# Altium PCB 400150.PcbDoc (part 1 of 3) (continued)
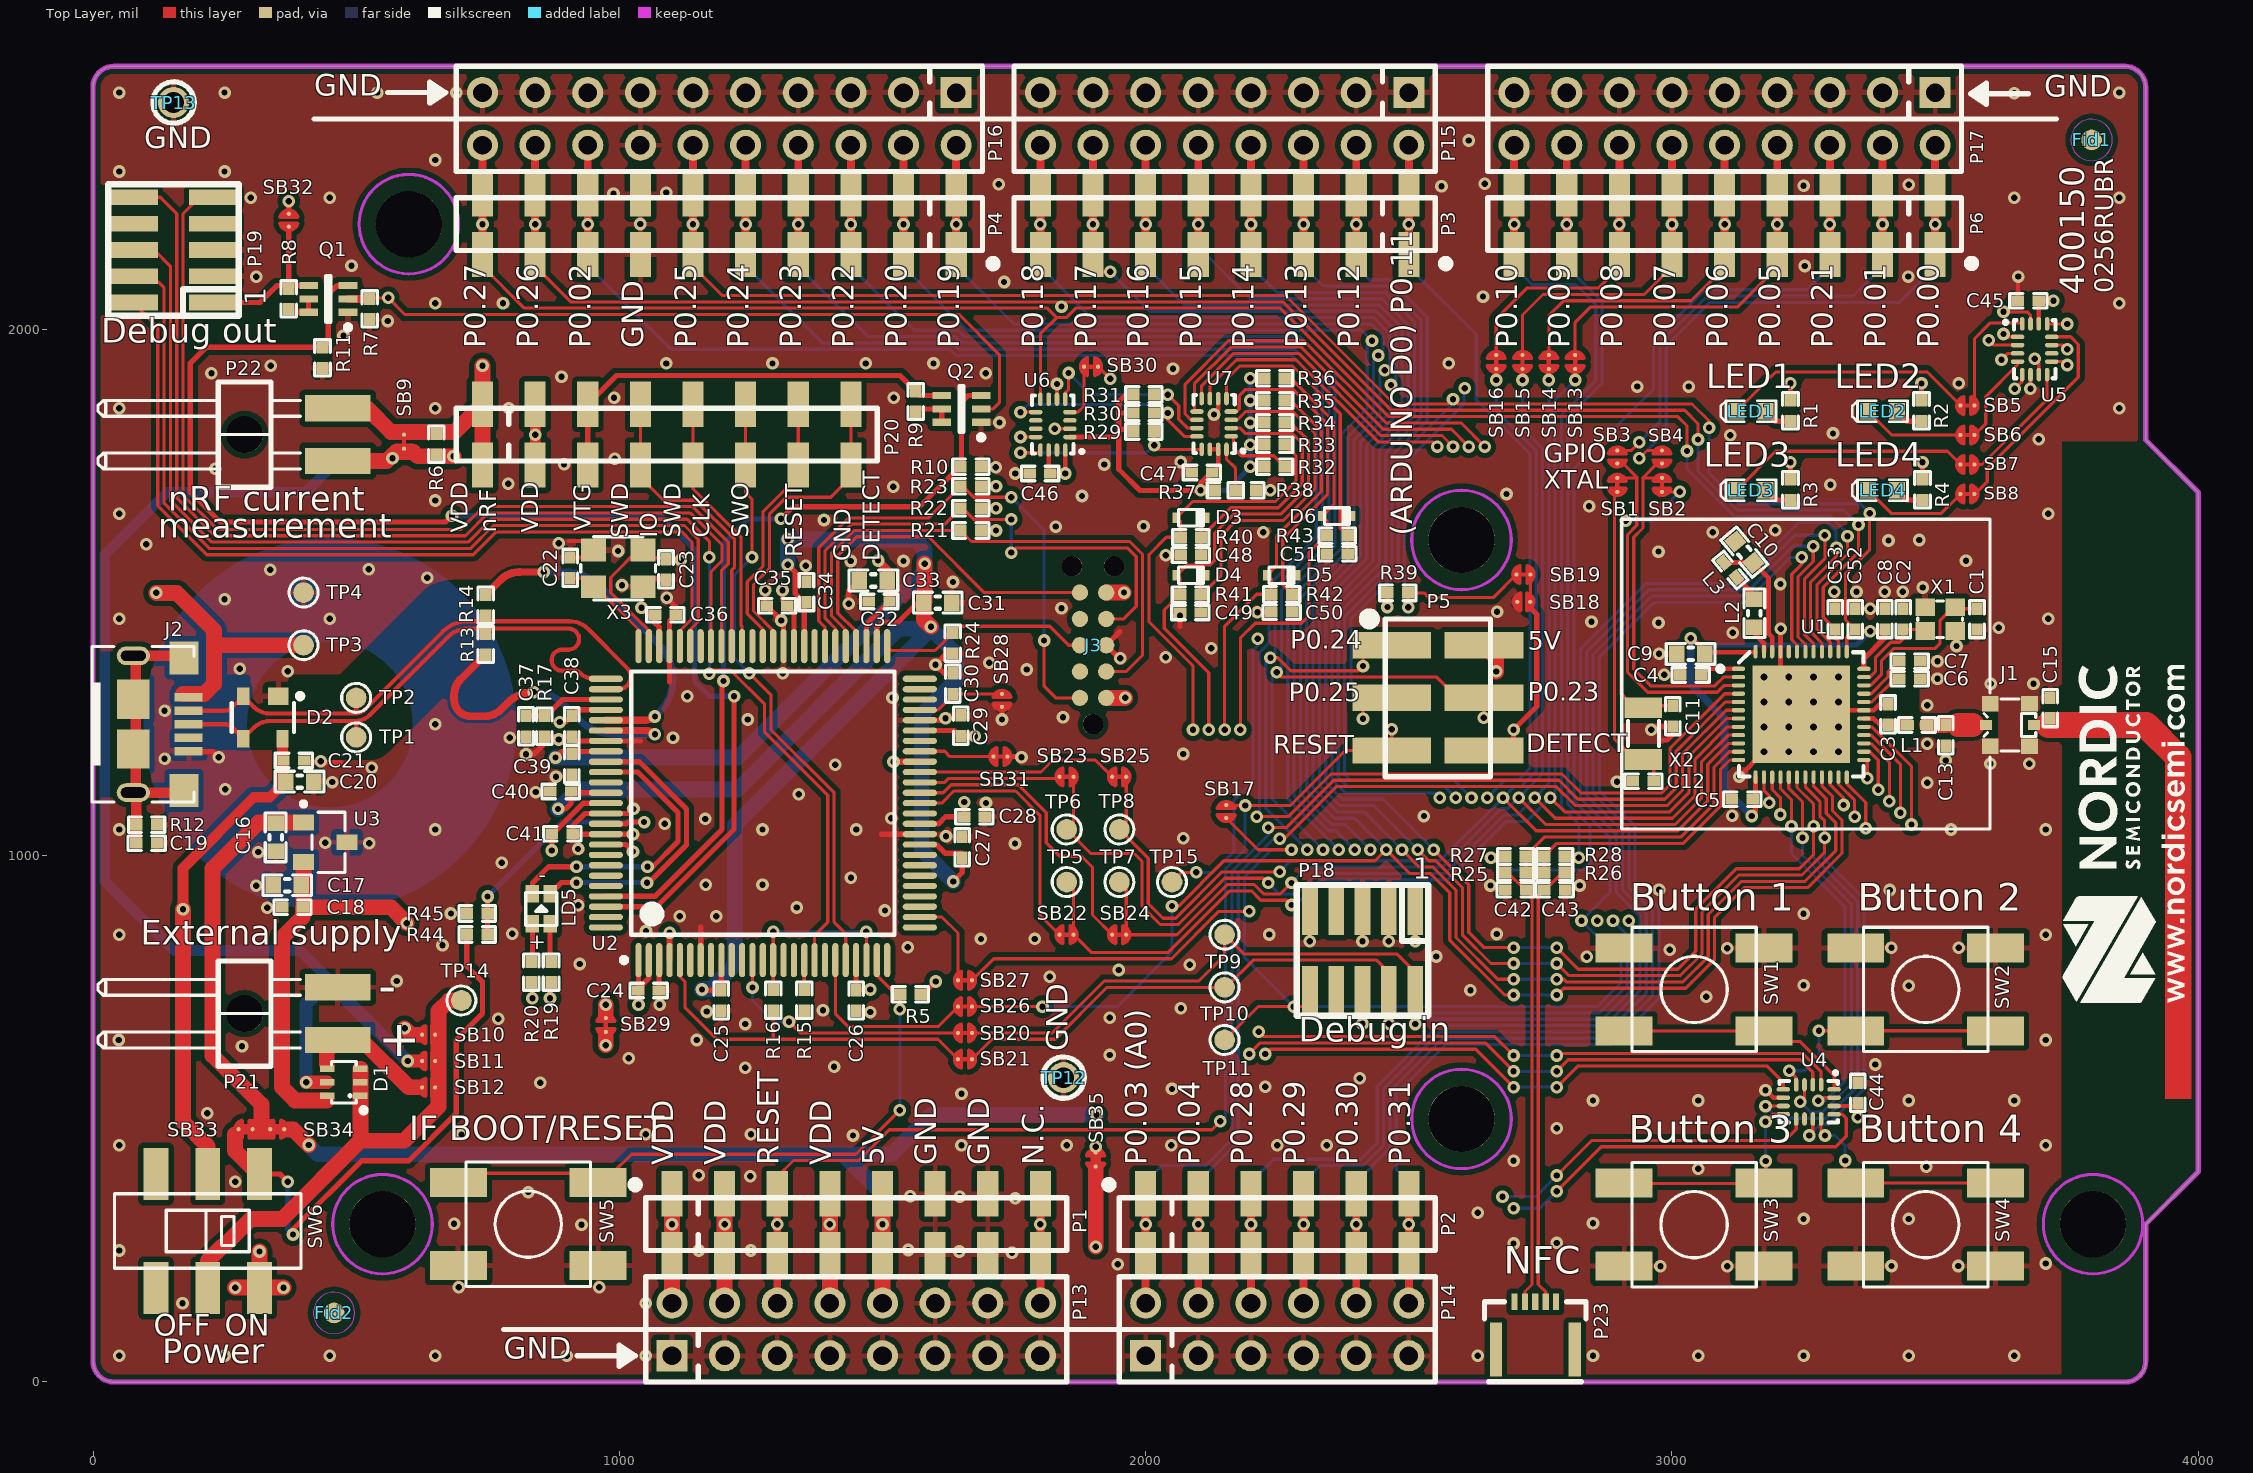
[diagram p0: Top Layer view]
## Components (designator, comment, footprint, x,y, rotation, side; value= is the part's Value field where it differs from the comment)
Bat1 "Bat Holder CR2032" CR2032_HOLDER_SMD 450,1249 r270 bottom locked
C1 "12pF" CAPC1005X04L 3579.46,1449.17 r270 top
C2 "12pF" CAPC1005X04L 3439.46,1449.17 r90 top
C3 "0.8pF" CAPC1005X04L 3410.46,1268.16 r270 top
C4 "100nF" CAPC1005X04L 3035.46,1343.16 r180 top
C5 "100nF" CAPC1005X04L 3133.46,1107.16 r180 top
C6 "N.C." CAPC1005X04L 3451.46,1336.16 r0 top
C7 "100pF" CAPC1005X04L 3451.46,1369.16 r0 top
C8 "100nF" CAPC1005X04L 3404.46,1449.17 r90 top
C9 "4.7µF" CAPC1608X06L 3035.46,1383.16 r180 top
C10 "1.0µF" CAPC1608X06L 3137.49,1576.36 r310 top
C11 "12pF" CAPC1005X04L 3001.61,1264.85 r90 top
C12 "12pF" CAPC1005X04L 2945.61,1140.85 r0 top
C13 "N.C." CAPC1005X04L 3520,1228.6 r270 top
C15 "1.2pF" CAPC1005X04L 3718.87,1280.16 r90 top
C16 "1.0µF" CAPC1608X06L 347,1034.6 r90 top
C17 "1.0µF" CAPC1608X06L 369,943.6 r0 top
C18 "100nF" CAPC1005X04L 379,901.6 r0 top
C19 "100nF" CAPC1005X04L 101.84,1023.6 r180 top
C20 "10µF" CAPC1608X06L 392.61,1140.6 r180 top
C21 "100nF" CAPC1005X04L 381.61,1180.6 r180 top
C22 "18pF" CAPC1005X04L 906.61,1546.6 r90 top
C23 "18pF" CAPC1005X04L 1088.61,1543.6 r270 top
C24 "100nF" CAPC1005X04L 1055.61,743.6 r180 top
C25 "100nF" CAPC1005X04L 1193.61,724.6 r90 top
C26 "100nF" CAPC1005X04L 1450,724.6 r90 top
C27 "100nF" CAPC1005X04L 1651.61,1015.6 r270 top
C28 "100nF" CAPC1005X04L 1674.61,1073.6 r180 top
C29 "100nF" CAPC1005X04L 1648.61,1246.6 r270 top
C30 "10nF" CAPC1005X04L 1633.61,1326.6 r270 top
C31 "10µF" CAPC1608X06L 1605,1480.6 r180 top
C32 "100nF" CAPC1005X04L 1493.61,1482.6 r0 top
C33 "10µF" CAPC1608X06L 1482.61,1522.6 r0 top
C34 "100nF" CAPC1005X04L 1355.61,1500.6 r270 top
C35 "100nF" CAPC1005X04L 1299.61,1474.6 r0 top
C36 "100nF" CAPC1005X04L 1087.61,1457.6 r0 top
C37 "10pF" CAPC1005X04L 822.61,1245.6 r90 top
C38 "100nF" CAPC1005X04L 909.61,1245.6 r90 top
C39 "100nF" CAPC1005X04L 909.61,1173.6 r90 top
C40 "100nF" CAPC1005X04L 888.61,1121.6 r0 top
C41 "100nF" CAPC1005X04L 891.61,1041.6 r180 top
C42 "300pF" CAPC1005X04L 2703,935 r180 top
C43 "300pF" CAPC1005X04L 2777,935 r180 top
C44 "100nF" CAPC1005X04L 3352.66,549 r270 top
C45 "100nF" CAPC1005X04L 3677,2054 r0 top
C46 "100nF" CAPC1005X04L 1799.31,1725.77 r0 top
C47 "100nF" CAPC1005X04L 2106.99,1727.77 r0 top
C48 "1.0µF" CAPC1005X04L 2085.99,1570.77 r180 top
C49 "1.0µF" CAPC1005X04L 2085.08,1461.77 r0 top
C50 "1.0µF" CAPC1005X04L 2258.31,1462.47 r0 top
C51 "1.0µF" CAPC1005X04L 2364.08,1573.69 r180 top
C52 "12pF" CAPC1005X04L 3348.46,1449.17 r90 top
C53 "12pF" CAPC1005X04L 3310.46,1449.17 r90 top
D1 "SD103ATW-7-F" SOT-363 476.5,569.19 r90 top
D2 "PRTR5V0U2X" SOT190P230X110-4L 322.61,1262.6 r270 top
D3 "1PS79SB30.115" SOD-523 2086.22,1641.77 r180 top
D4 "1PS79SB30.115" SOD-523 2086.31,1532.77 r180 top
D5 "1PS79SB30.115" SOD-523 2258.31,1532.77 r180 top
D6 "1PS79SB30.115" SOD-523 2363.31,1645 r180 top
Fid1 "Fiducial mark" Fiducial 3797.28,2359.6 r180 top
Fid2 "Fiducial mark" Fiducial 458,131 r0 top
J1 "MM8130-2600" COAXIAL-SWF 3641.87,1248.16 r90 top
J2 "MicroUSB-B" USB-Micro-B-RA-SMD-PiP 181.84,1249.6 r0 top
J3 "TC2050-IDC" TC2050-IDC-NLFP 1900,1399.6 r90 top locked
L1 "3.9nH" INDC1005X04L 3465.46,1248.16 r0 top
L2 "10µH" INDC1608X06L 3156.46,1460.36 r270 top
L3 "15nH" INDC1005X04L 3110.49,1542.36 r310 top
LD5 "LED RG" LED_DUAL_0606 851.61,898.6 r180 top
LED1 "L0603G" LED_0603_G 3150,1843.99 r0 top
LED2 "L0603G" LED_0603_G 3400,1843.99 r0 top
LED3 "L0603G" LED_0603_G 3150,1693.99 r0 top
LED4 "L0603G" LED_0603_G 3400,1693.99 r0 top
P1 "Socket 1x8" SOCKET_1x8_SMD 1100,299.6 r0 top locked
P2 "Socket 1x6" SOCKET_1x6_SMD 2000,299.6 r0 top locked
P3 "Socket 1x8" SOCKET_1x8_SMD 2500,2199.6 r180 top locked
P4 "Socket 1x10" SOCKET_1x10_SMD 1640,2199.6 r180 top locked
P5 "Pin Hdr 2x3" HDR_2x3-SMD 2555,1299.6 r270 top locked
P6 "Socket 1x9" SOCKET_1x9_SMD 3500,2199.6 r180 top locked
P7 "Pin List 1x8" LIST_1x8_SMD-NC 1100,299.6 r0 bottom locked
P8 "Pin List 1x6" LIST_1x6_SMD-NC 2000,299.6 r0 bottom locked
P9 "Pin List 1x8" LIST_1x8_SMD-NC 2500,2199.6 r180 bottom locked
P10 "Pin List 1x10" LIST_1x10_SMD-NC 1640,2199.6 r180 bottom locked
P11 "Socket 2x3" SOCKET_2x3_SMD-2.54mm-bottom-NC 2555,1299.6 r270 top locked
P12 "Pin List 1x9" LIST_1x9_SMD-NC 3500,2199.6 r180 bottom locked
P13 "Pin Header 2x8" HDR_2x8-NC 1450,99.6 r0 top locked
P14 "Pin Header 2x6" HDR_2x6-NC 2250,99.6 r0 top locked
P15 "Pin Header 2x8" HDR_2x8-NC 2150,2399.6 r180 top locked
P16 "Pin Header 2x10" HDR_2x10-NC 1190,2399.6 r180 top locked
P17 "Pin Header 2x9" HDR_2x9-NC 3100,2399.6 r180 top
P18 "Pin Header 2x5, 1.27mm" HDR_2x5-SMD-1.27mm-K 2412,819.77 r180 top
P19 "Pin Header 2x5, 1.27mm" HDR_2x5-SMD-1.27mm-K 153,2150.6 r90 top locked
P20 "Pin List 1x8" LIST_1x8_SMD 740,1799.6 r0 top
P21 "Pin List 1x2, Angled" LIST_ANG_1x2-SMD-2.54MM 465,699.6 r270 top
P22 "Pin List 1x2, Angled" LIST_ANG_1x2-SMD-2.54MM 465,1799.6 r270 top
P23 "FPC 0.5mm RA SMD" FPC_05P-0.5mm-RA-SMD 2701,152 r0 top
Q1 "FDG6321C" SOT65P210X100-6N 447,2057.6 r180 top
Q2 "FDG6321C" SOT65P210X100-6N 1650,1848.6 r180 top
R1 "220R" RESC1005X04L 3225.01,1844.99 r90 top
R2 "220R" RESC1005X04L 3474.01,1844.99 r90 top
R3 "220R" RESC1005X04L 3225.01,1694.99 r90 top
R4 "220R" RESC1005X04L 3476.01,1694.99 r90 top
R5 "10k" RESC1005X04L 1553,736.6 r0 top
R6 "N.C." RESC1005X04L 652,1781.6 r90 top
R7 "N.C." RESC1005X04L 526,2038.6 r270 top
R8 "10k" RESC1005X04L 372,2057.6 r270 top
R9 "10k" RESC1005X04L 1563,1862.6 r270 top
R10 "10k" RESC1005X04L 1667.84,1738.6 r180 top
R11 "10k" RESC1005X04L 436,1945.6 r90 top
R12 "10k" RESC1005X04L 101.84,1058.6 r180 top
R13 "39R" RESC1005X04L 746.02,1401.3 r90 top
R14 "39R" RESC1005X04L 746.01,1475.54 r270 top
R15 "150R" RESC1005X04L 1351.35,725 r270 top
R16 "150R" RESC1005X04L 1292.35,725 r270 top
R17 "6k8" RESC1005X04L 857.61,1245.6 r90 top
R19 "220R" RESC1005X04L 870.34,778.6 r270 top
R20 "220R" RESC1005X04L 832.87,778.6 r270 top
R21 "4k7" RESC1005X04L 1667.84,1617.6 r0 top
R22 "4k7" RESC1005X04L 1667.84,1659.6 r0 top
R23 "4k7" RESC1005X04L 1667.84,1701.6 r0 top
R24 "4k7" RESC1005X04L 1633.61,1403.6 r270 top
R25 "0R" RESC1005X04L 2702.84,968.6 r0 top
R26 "0R" RESC1005X04L 2776.84,968.6 r180 top
R27 "N.C." RESC1005X04L 2702.84,998.6 r0 top
R28 "N.C." RESC1005X04L 2776.84,998.6 r180 top
R29 "4k7" RESC1005X04L 1996.62,1805.77 r180 top
R30 "4k7" RESC1005X04L 1996.62,1840.77 r180 top
R31 "12k" RESC1005X04L 1996.62,1875.77 r180 top
R32 "12k" RESC1005X04L 2244.94,1738.62 r180 top
R33 "100k" RESC1005X04L 2244.94,1780.62 r180 top
R34 "100k" RESC1005X04L 2244.94,1822.62 r180 top
R35 "100k" RESC1005X04L 2244.94,1864.62 r180 top
R36 "100k" RESC1005X04L 2244.94,1906.62 r180 top
R37 "N.C." RESC1005X04L 2151.31,1693.77 r180 top
R38 "0R" RESC1005X04L 2190.68,1693.77 r180 top
R39 "1M0" RESC1005X04L 2479,1499 r180 top
R40 "18k" RESC1005X04L 2085.99,1604.77 r180 top
R41 "18k" RESC1005X04L 2085.08,1495.77 r180 top
R42 "18k" RESC1005X04L 2258.31,1496.47 r180 top
R43 "18k" RESC1005X04L 2364.08,1607.69 r180 top
R44 "33k" RESC1005X04L 730,850 r180 top
R45 "47k" RESC1005X04L 730,890 r0 top
SB1 "Solderbridge" Solderbridge_Shorted 2896,1704.3 r90 top net-tie
SB2 "Solderbridge" Solderbridge_Shorted 2981,1704.3 r90 top net-tie
SB3 "Solderbridge" Solderbridge#1 2896,1757.3 r90 top
SB4 "Solderbridge" Solderbridge#1 2981,1757.3 r90 top
SB5 "Solderbridge" Solderbridge_Shorted 3561.2,1855 r180 top net-tie
SB6 "Solderbridge" Solderbridge_Shorted 3561.2,1799 r180 top net-tie
SB7 "Solderbridge" Solderbridge_Shorted 3561.2,1743 r180 top net-tie
SB8 "Solderbridge" Solderbridge_Shorted 3561.2,1687 r180 top net-tie
SB9 "Solderbridge" Solderbridge_Shorted 591,1786.3 r270 top net-tie
SB10 "Solderbridge" Solderbridge#1 637.7,659.6 r180 top
SB11 "Solderbridge" Solderbridge#1 637.7,609.6 r180 top
SB12 "Solderbridge" Solderbridge#1 637.7,559.6 r180 top
SB13 "Solderbridge" Solderbridge_Shorted 2816,1937.7 r270 top net-tie
SB14 "Solderbridge" Solderbridge_Shorted 2766,1937.7 r270 top net-tie
SB15 "Solderbridge" Solderbridge_Shorted 2716,1937.7 r270 top net-tie
SB16 "Solderbridge" Solderbridge_Shorted 2666,1937.7 r270 top net-tie
SB17 "Solderbridge" Solderbridge#1 2153,1083.7 r270 top
SB18 "Solderbridge" Solderbridge#1 2718.3,1482 r0 top
SB19 "Solderbridge" Solderbridge_Shorted 2717.7,1534 r180 top net-tie
SB20 "Solderbridge" Solderbridge_Shorted 1656.72,663 r180 top net-tie
SB21 "Solderbridge" Solderbridge_Shorted 1656.72,613 r180 top net-tie
SB22 "Solderbridge" Solderbridge_Shorted 1849.7,849.6 r180 top net-tie
SB23 "Solderbridge" Solderbridge_Shorted 1849.7,1149.6 r180 top net-tie
SB24 "Solderbridge" Solderbridge_Shorted 1949.7,849.6 r180 top net-tie
SB25 "Solderbridge" Solderbridge_Shorted 1949.7,1149.6 r180 top net-tie
SB26 "Solderbridge" Solderbridge_Shorted 1656.72,713 r180 top net-tie
SB27 "Solderbridge" Solderbridge_Shorted 1656.72,763 r180 top net-tie
SB28 "Solderbridge" Solderbridge#1 1727,1294.79 r270 top
SB29 "Solderbridge" Solderbridge_Shorted 974.38,678.08 r270 top net-tie
SB30 "Solderbridge" Solderbridge_Shorted 1896.22,1928.77 r180 top net-tie
SB31 "Solderbridge" Solderbridge_Shorted 1724,1188 r0 top net-tie
SB32 "Solderbridge" Solderbridge#2 372,2207 r270 top
SB33 "Solderbridge" Solderbridge_Shorted_Power 290,480 r0 top net-tie
SB34 "Solderbridge" Solderbridge_Shorted_Power 350,480 r180 top net-tie
SB35 "Solderbridge" Solderbridge_Shorted_Power 1905,422.6 r90 top net-tie
SW1 "PB SW" Switch-PB-6.2x6.3mm-SMD 3042,745.66 r0 top
SW2 "PB SW" Switch-PB-6.2x6.3mm-SMD 3482,745.66 r0 top
SW3 "PB SW" Switch-PB-6.2x6.3mm-SMD 3042,298.66 r180 top
SW4 "PB SW" Switch-PB-6.2x6.3mm-SMD 3482,298.66 r180 top
SW5 "PB SW" Switch-PB-6.2x6.3mm-SMD 827,299.6 r180 top
SW6 "Switch" Switch-Slide-DPDT-8.5x3.6mm 218,286.6 r0 top locked
TP1 "Ø1.0mm,SMD" TP_SMD_Ø1.0mm 500,1224.6 r0 top
TP2 "Ø1.0mm,SMD" TP_SMD_Ø1.0mm 500,1299.6 r0 top
TP3 "Ø1.0mm,SMD" TP_SMD_Ø1.0mm 400,1399.6 r0 top
TP4 "Ø1.0mm,SMD" TP_SMD_Ø1.0mm 400,1499.6 r0 top
TP5 "Ø1.0mm,SMD" TP_SMD_Ø1.0mm 1850,949.6 r0 top
TP6 "Ø1.0mm,SMD" TP_SMD_Ø1.0mm 1850,1049.6 r0 top
TP7 "Ø1.0mm,SMD" TP_SMD_Ø1.0mm 1950,949.6 r0 top
TP8 "Ø1.0mm,SMD" TP_SMD_Ø1.0mm 1950,1049.6 r0 top
TP9 "Ø1.0mm,SMD" TP_SMD_Ø1.0mm 2150,849.6 r0 top
TP10 "Ø1.0mm,SMD" TP_SMD_Ø1.0mm 2150,749.6 r0 top
TP11 "Ø1.0mm,SMD" TP_SMD_Ø1.0mm 2150,649.6 r90 top
TP12 "TP" TESTPAD-TH 1844,578 r0 top
TP13 "TP" TESTPAD-TH 153,2430.6 r0 top
TP14 "Ø1.0mm,SMD" TP_SMD_Ø1.0mm 700,724.6 r270 top
TP15 "Ø1.0mm,SMD" TP_SMD_Ø1.0mm 2050,949.6 r90 top
U1 "nRF52832-QFAAB0" QFN40P600X600X90-48N 3245.46,1268.16 r0 top
U2 "ATSAM3U2CA-AU" TSQFP50P1600X1600X160-100N 1272.61,1099.6 r90 top locked
U3 "AP7333-33SAG-7" SOT-23A 400,1062.6 r270 top
U4 "NX3DV2567" XQFN40P180X260X50-16N 3259.66,532 r270 top
U5 "NX3DV2567" XQFN40P180X260X50-16N 3689,1962 r0 top
U6 "NX3DV2567" XQFN40P180X260X50-16N 1823.62,1818.77 r180 top
U7 "PCAL6408A" XQFN40P180X260X50-16N 2129.94,1820 r180 top
X1 "32MHz" BT-XTAL_2016 3509.46,1449.17 r180 top
X2 "32.768kHz" XTAL_3215 2945.61,1231.85 r270 top
X3 "12MHz" BT-XTAL_3225 997.61,1545.6 r180 top

## Footprints (in the part's own frame and the unit in brackets; to place one, negate y for a bottom-side part, rotate by r counter-clockwise, add the part's x,y. Pads: shape width x height; smd on the part's side, far side on the other; paste and mask are expansions set on the pad)
BT-XTAL_2016 [mm] "Crystal 2.0 x 1.6 mm"
  rect 0.95x0.85 smd: 1(-0.725,-0.575) 2(0.725,-0.575) 3(0.725,0.575) 4(-0.725,0.575)
  silkscreen extent -1.08,-0.88 1.08,0.88, body extent -1.05,-0.85 1.05,0.85, height 0.56
BT-XTAL_3225 [mm] "Mercury X32 series"
  rect 1.2x1.1 smd: 1(-1.194,-0.89) 2(1.194,-0.89) 3(1.194,0.891) 4(-1.194,0.891)
  silkscreen extent -1.8,-1.52 1.8,1.52, body extent -1.6,-1.25 1.6,1.25, height 0.6
CAPC1005X04L [mm] "Chip Capacitor, 2-Leads, Body 1.0x0.5mm, IPC High Density"
  rect 0.6x0.5 smd: 1(-0.5,0) 2(0.5,0)
  silkscreen extent -0.9,-0.35 0.9,0.35, body extent -0.51,-0.25 0.51,0.25, height 0.5
CAPC1608X06L [mm] "Chip Capacitor, 2-Leads, Body 1.6x0.8mm, IPC High Density"
  rect 0.75x0.8 smd: 1(-0.675,0) 2(0.675,0)
  silkscreen extent -1.17,-0.5 1.17,0.5, body extent -0.8,-0.43 0.8,0.43, height 0.8
COAXIAL-SWF [mm]
  rect 0.5x0.58 smd: 1(0,1.16) 3(0,-1.16)
  rect 0.75x0.8 smd: 2(-1.025,-0.95) 2(-1.025,0.95) 2(1.025,-0.95) 2(1.025,0.95)
  Top Layer pour cut-out: -0.65,0.55 0.65,0.55 0.65,1.35 -0.65,1.35
  Top Layer pour cut-out: 0.65,-0.55 -0.65,-0.55 -0.65,-1.35 0.65,-1.35
  silkscreen extent -1.25,-1.25 1.25,1.25, body extent -1.26,-1.3 1.26,1.3, height 1.55
CR2032_HOLDER_SMD [mm] "CR2032 - SMD mount coin cell bat holder"
  round 18 on Bottom Solder paste+0: 0(0,0)
  rect 5.08x5.08 smd: 1(-13.081,0) 1(13.081,0)
  rrect50% 10x10 smd paste-9: 2(0,0)
  Top Layer circle w5: c0,0 r6.5
  silkscreen extent -10.54,-9.53 10.54,11.43, body extent -15.37,-10.27 15.37,9.78, height 3.96
Fiducial [mm] "Fiducial Mark"
  round 1 smd paste-10 mask+0.5: 0(0,0)
  round 1 smd far side paste-10 mask+0.5: 0(0,0)
  Top Layer keep-out circle w0.01: c0,0 r1
  Bottom Layer keep-out circle w0.01: c0,0 r1
FPC_05P-0.5mm-RA-SMD [mm] "FPC, 5-Leads, Pitch 0,5mm"
  rect 0.6x2.6 smd: 0(-0.9,-2.3) 0(2.9,-2.3)
  rect 0.3x0.8 smd: 1(0,0) 2(0.5,0) 3(1,0) 4(1.5,0) 5(2,0)
  silkscreen extent -1.45,-3.85 3.45,0, body extent -1.3,-3.85 3.3,0.2, height 1.2
HDR_2x3-SMD [mil] "Board-Board Conn, Header, 6-way, 2-row"
  rect 50x150 smd: 1(-100,-87.5) 2(-100,87.5) 3(0,-87.5) 4(0,87.5) 5(100,-87.5) 6(100,87.5)
  silkscreen extent -160,-140 150,100, body extent -150,-148 150,148, height 382
HDR_2x5-SMD-1.27mm-K [mm] "SMT MICRO HEADER, (1,27) .050\" Keying Shroud"
  rect 0.76x2.4 smd: 1(-2.54,-1.95) 2(-2.54,1.95) 3(-1.27,-1.95) 4(-1.27,1.95) 5(0,-1.95) 6(0,1.95) 7(1.27,-1.95) 8(1.27,1.95) 9(2.54,-1.95) 10(2.54,1.95)
  silkscreen extent -3.18,-3.15 3.18,3.15, body extent -3.14,-2.92 3.14,2.92, height 6.11
HDR_2x6-NC [mm] "Pin Header, 2.54mm through hole"
  rect 1.5x1.5 hole 0.9: 1(-6.35,-1.27)
  round 1.5 hole 0.9: 2(-6.35,1.27) 3(-3.81,-1.27) 4(-3.81,1.27) 5(-1.27,-1.27) 6(-1.27,1.27) 7(1.27,-1.27) 8(1.27,1.27) 9(3.81,-1.27) 10(3.81,1.27) 11(6.35,-1.27) 12(6.35,1.27)
  silkscreen extent -7.62,-2.54 7.62,2.54
HDR_2x8-NC [mm] "Pin Header, 2.54mm through hole"
  rect 1.5x1.5 hole 0.9: 1(-8.89,-1.27)
  round 1.5 hole 0.9: 2(-8.89,1.27) 3(-6.35,-1.27) 4(-6.35,1.27) 5(-3.81,-1.27) 6(-3.81,1.27) 7(-1.27,-1.27) 8(-1.27,1.27) 9(1.27,-1.27) 10(1.27,1.27) 11(3.81,-1.27) 12(3.81,1.27) 13(6.35,-1.27) 14(6.35,1.27) 15(8.89,-1.27) 16(8.89,1.27)
  silkscreen extent -10.16,-2.54 10.16,2.54
HDR_2x9-NC [mm] "Pin Header, 2.54mm through hole"
  rect 1.5x1.5 hole 0.9: 1(-10.16,-1.27)
  round 1.5 hole 0.9: 2(-10.16,1.27) 3(-7.62,-1.27) 4(-7.62,1.27) 5(-5.08,-1.27) 6(-5.08,1.27) 7(-2.54,-1.27) 8(-2.54,1.27) 9(0,-1.27) 10(0,1.27) 11(2.54,-1.27) 12(2.54,1.27) 13(5.08,-1.27) 14(5.08,1.27) 15(7.62,-1.27) 16(7.62,1.27) 17(10.16,-1.27) 18(10.16,1.27)
  silkscreen extent -11.43,-2.54 11.43,2.54
HDR_2x10-NC [mm] "Pin Header, 2.54mm through hole"
  rect 1.5x1.5 hole 0.9: 1(-11.43,-1.27)
  round 1.5 hole 0.9: 2(-11.43,1.27) 3(-8.89,-1.27) 4(-8.89,1.27) 5(-6.35,-1.27) 6(-6.35,1.27) 7(-3.81,-1.27) 8(-3.81,1.27) 9(-1.27,-1.27) 10(-1.27,1.27) 11(1.27,-1.27) 12(1.27,1.27) 13(3.81,-1.27) 14(3.81,1.27) 15(6.35,-1.27) 16(6.35,1.27) 17(8.89,-1.27) 18(8.89,1.27) 19(11.43,-1.27) 20(11.43,1.27)
  silkscreen extent -12.7,-2.54 12.7,2.54
INDC1005X04L [mm] "Chip Inductor, 2-Leads, Body 1.0x0.5mm, IPC High Density"
  rect 0.65x0.5 smd: 1(-0.475,0) 2(0.475,0)
  silkscreen extent -0.9,-0.35 0.9,0.35, body extent -0.5,-0.3 0.5,0.3, height 0.5
INDC1608X06L [mm] "Chip Inductor, 2-Leads, Body 1.6x0.8mm, IPC High Density"
  rect 0.75x0.8 smd: 1(-0.675,0) 2(0.675,0)
  silkscreen extent -1.17,-0.5 1.17,0.5, body extent -0.8,-0.48 0.8,0.48, height 0.8
LED_0603_G [mil] "SMD Super Bright LED, GREEN"
  rect 30x32 smd: 1(-27.5,0) 2(27.5,0)
  silkscreen extent -58,-20 48,20, body extent -32,-16 32,16, height 24
LED_DUAL_0606 [mm]
  rect 0.65x0.85 smd paste+0: 1(0.425,0.725) 2(-0.425,0.725) 3(0.425,-0.725) 4(-0.425,-0.725)
  silkscreen extent -0.75,-0.8 0.75,0.8, body extent -0.75,-0.8 0.75,0.8, height 0.55
LIST_1x6_SMD-NC [mm] "Pin List, 2.54mm, SMD"
  rect 1.02x2.19 smd: 1(0,-1.465) 1(0,1.465) 2(2.54,-1.465) 2(2.54,1.465) 3(5.08,-1.465) 3(5.08,1.465) 4(7.62,-1.465) 4(7.62,1.465) 5(10.16,-1.465) 5(10.16,1.465) 6(12.7,-1.465) 6(12.7,1.465)
  silkscreen extent -1.27,-1.27 13.97,1.27
LIST_1x8_SMD [mm] "Pin List, 2.54mm, SMD"
  rect 1.02x2.19 smd: 1(0,-1.465) 1(0,1.465) 2(2.54,-1.465) 2(2.54,1.465) 3(5.08,-1.465) 3(5.08,1.465) 4(7.62,-1.465) 4(7.62,1.465) 5(10.16,-1.465) 5(10.16,1.465) 6(12.7,-1.465) 6(12.7,1.465) 7(15.24,-1.465) 7(15.24,1.465) 8(17.78,-1.465) 8(17.78,1.465)
  silkscreen extent -1.27,-1.27 19.05,1.27, body extent -1.27,-2.5 19.05,2.5, height 9.82
LIST_1x8_SMD-NC [mm] "Pin List, 2.54mm, SMD"
  rect 1.02x2.19 smd: 1(0,-1.465) 1(0,1.465) 2(2.54,-1.465) 2(2.54,1.465) 3(5.08,-1.465) 3(5.08,1.465) 4(7.62,-1.465) 4(7.62,1.465) 5(10.16,-1.465) 5(10.16,1.465) 6(12.7,-1.465) 6(12.7,1.465) 7(15.24,-1.465) 7(15.24,1.465) 8(17.78,-1.465) 8(17.78,1.465)
  silkscreen extent -1.27,-1.27 19.05,1.27
LIST_1x9_SMD-NC [mm] "Pin List, 2.54mm, SMD"
  rect 1.02x2.19 smd: 1(0,-1.465) 1(0,1.465) 2(2.54,-1.465) 2(2.54,1.465) 3(5.08,-1.465) 3(5.08,1.465) 4(7.62,-1.465) 4(7.62,1.465) 5(10.16,-1.465) 5(10.16,1.465) 6(12.7,-1.465) 6(12.7,1.465) 7(15.24,-1.465) 7(15.24,1.465) 8(17.78,-1.465) 8(17.78,1.465) 9(20.32,-1.465) 9(20.32,1.465)
  silkscreen extent -1.27,-1.27 21.59,1.27
LIST_1x10_SMD-NC [mm] "Pin List, 2.54mm, SMD"
  rect 1.02x2.19 smd: 1(0,-1.465) 1(0,1.465) 2(2.54,-1.465) 2(2.54,1.465) 3(5.08,-1.465) 3(5.08,1.465) 4(7.62,-1.465) 4(7.62,1.465) 5(10.16,-1.465) 5(10.16,1.465) 6(12.7,-1.465) 6(12.7,1.465) 7(15.24,-1.465) 7(15.24,1.465) 8(17.78,-1.465) 8(17.78,1.465) 9(20.32,-1.465) 9(20.32,1.465) 10(22.86,-1.465) 10(22.86,1.465)
  silkscreen extent -1.27,-1.27 24.13,1.27
LIST_ANG_1x2-SMD-2.54MM [mm] "Pin List, 2.54mm, Surface Mount, Angled"
  round 1.78 hole 1.78 unplated: 0(0,-4.496)
  rect 1.27x3.18 smd: 1(-1.27,0) 2(1.27,0)
  silkscreen extent -2.54,-11.58 2.54,-1.8, body extent -2.56,-11.61 2.52,1.35, height 3.03
QFN40P600X600X90-48N [mm] "QFN, 48-Leads, Body 6,0x6,0mm (max), Pitch 0,40mm, IPC Medium Density"
  oval 0.65x0.2 smd: 1(-3.025,2.2) 2(-3.025,1.8) 3(-3.025,1.4) 4(-3.025,1) 5(-3.025,0.6) 6(-3.025,0.2) 7(-3.025,-0.2) 8(-3.025,-0.6) 9(-3.025,-1) 10(-3.025,-1.4) 11(-3.025,-1.8) 12(-3.025,-2.2) 25(3.025,-2.2) 26(3.025,-1.8) 27(3.025,-1.4) 28(3.025,-1) 29(3.025,-0.6) 30(3.025,-0.2) 31(3.025,0.2) 32(3.025,0.6) 33(3.025,1) 34(3.025,1.4) 35(3.025,1.8) 36(3.025,2.2)
  oval 0.2x0.65 smd: 13(-2.2,-3.025) 14(-1.8,-3.025) 15(-1.4,-3.025) 16(-1,-3.025) 17(-0.6,-3.025) 18(-0.2,-3.025) 19(0.2,-3.025) 20(0.6,-3.025) 21(1,-3.025) 22(1.4,-3.025) 23(1.8,-3.025) 24(2.2,-3.025) 37(2.2,3.025) 38(1.8,3.025) 39(1.4,3.025) 40(1,3.025) 41(0.6,3.025) 42(0.2,3.025) 43(-0.2,3.025) 44(-0.6,3.025) 45(-1,3.025) 46(-1.4,3.025) 47(-1.8,3.025) 48(-2.2,3.025)
  rect 4.7x4.7 smd: 49(0,0)
  silkscreen extent -4.02,-3 3,3, body extent -3.02,-3.02 3.02,3.02, height 0.86
RESC1005X04L [mm] "Chip Resistor, 2-Leads, Body 1.0x0.5mm, IPC High Density"